# Altium PCB PCB1.PcbDoc (part 2 of 2) (continued)
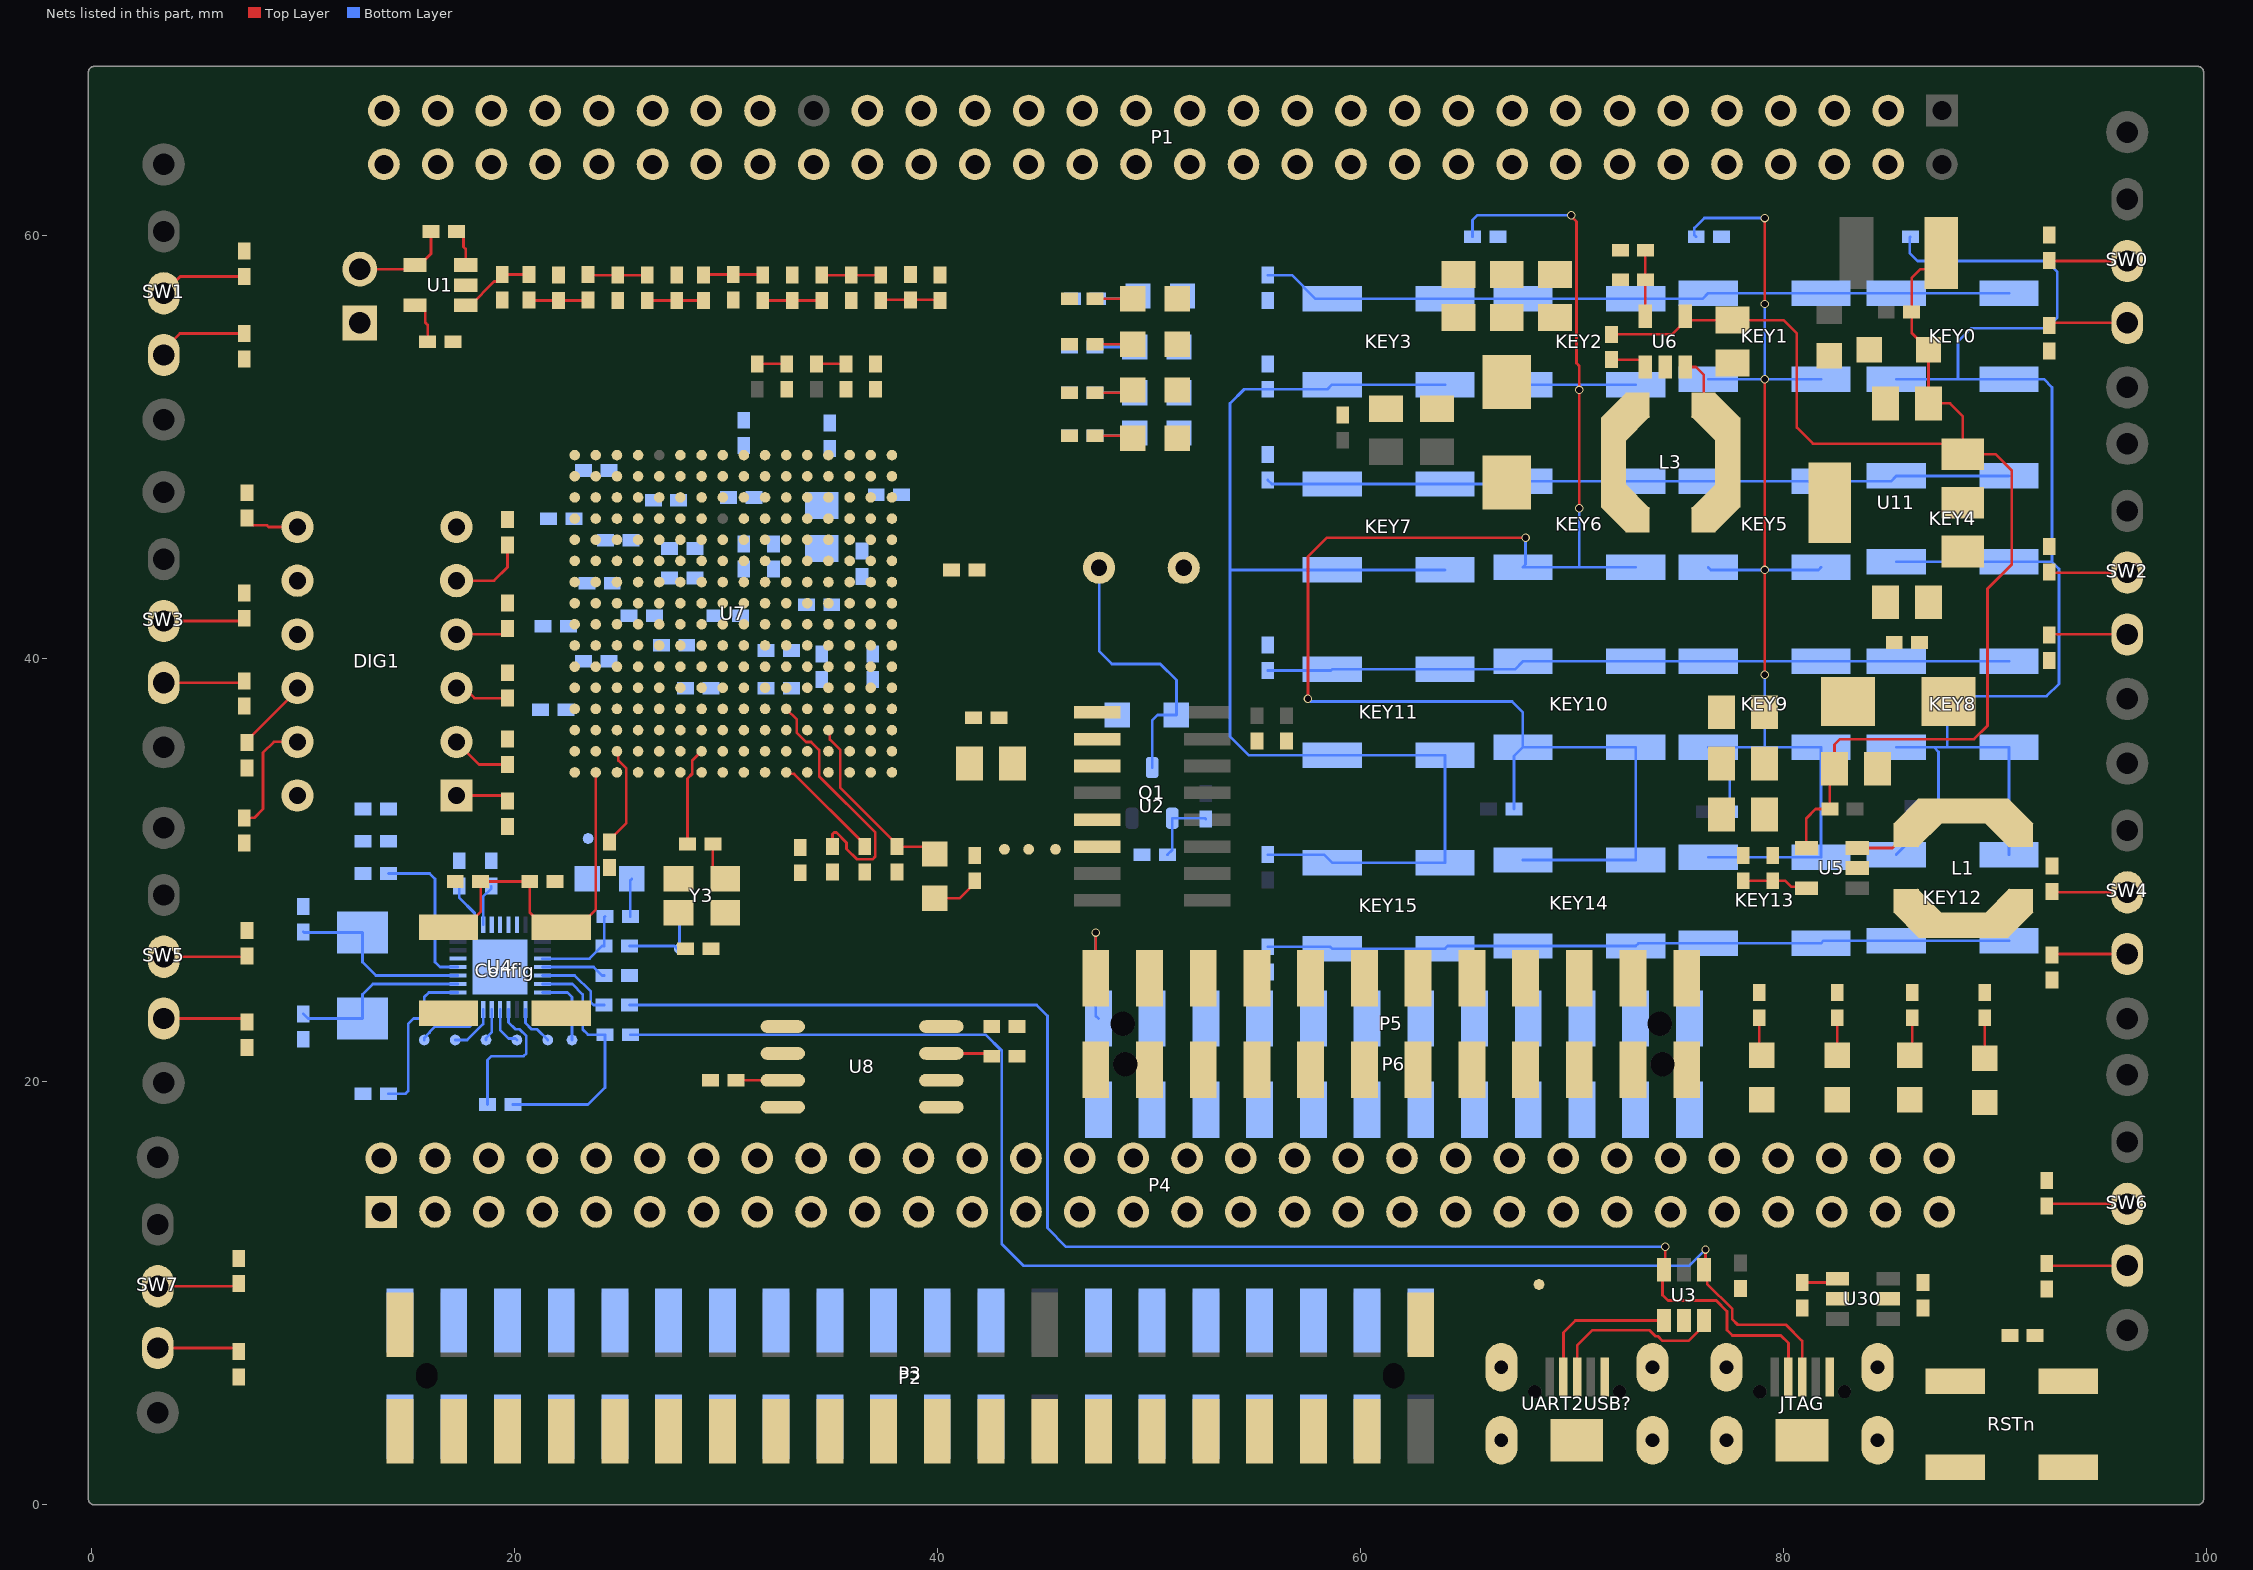
[diagram p2: the nets of this part, all layers, seen from the top]
## Part data (continued)
U1: library part LM321MF, "Low Power Single Op Amp, DBV0005A", Alternate Manufacturer="Texas Instruments", ComponentLink1Description="LM321 Datasheet", ComponentLink1URL=http://www.ti.com/lit/gpn/LM321, ComponentLink2Description="LM321 Web Page", ComponentLink2URL=http://www.ti.com/product/LM321, ComponentLink3Description="SOT Package Web Page", ComponentLink3URL=http://www.ti.com/sc/docs/psheets/type/sot.html, CompType="OpAmp IC", LatestRevisionDate=2015-02-03, Manufacturer="Texas Instruments", MountType=SMT, PackageReference=DBV0005A, PartNumber=SGM321YN5/TR, Publisher="Texas Instruments", SymbolCreator=a0411595, SymbolVersion=2015-01-06
U2: "USB2UART"
U3 U30: library part TPD4E001DBVR, "Low-Capacitance + / - 15-kV ESD Protection Array for High-Speed Data Interfaces, 4 Channels, -40 to +85 degC, 6-pin SOT-23 (DBV), Green (RoHS & no Sb/Br)", Alternate Manufacturer=None, Alternate PartNumber=Equivalent, Breakdown Voltage(Min)(V)=11, IO Capacitance(Typ)(pF)=1.5, Manufacturer="Texas Instruments", Supplier Part Number 1=296-28203-2-ND, 1394 / Firewire=TRUE, Code_JEDEC=MO-178-AB*, ComponentLink1Description=Datasheet, ComponentLink1URL=http://www.ti.com/general/docs/lit/getliterature.tsp?genericPartNumber=TPD4E001&fileType=pdf, ComponentLink2Description="URL Link1", ComponentLink2URL=SamplesURL:http://www.ti.com/product/tpd4e001#samples, DatasheetVersion=SLLS682G, Eco-Plan="Green (RoHS & no Sb/Br)", IEC 61000-4-2 Air-Gap(+/- kV)=15, IEC 61000-4-2 Contact(+/- kV)=8, IO Leakage Current(nA)=1.5, MountType=SMT, PackageDescription="6-Pin Plastic Small-Outline Package, 2.9 x 1.6 mm Body, 0.95 mm Pitch, 2.8 mm Lead Span", PackageReference=DBV0006A, PackageVersion="revK, Mar-2006", PartNumber=TPD4E001DBVR, Serial ATA / eSATA=TRUE, SubFamily="ESD Solution", Supplier 1=Digi-Key, Supplier 2=Digi-Key, Supplier 3=Digi-Key, Supplier 4=Newark, Supplier 5=Mouser, Supplier Part Number 2=296-28203-1-ND, Supplier Part Number 3=296-28203-6-ND, Supplier Part Number 4=27T6836, Supplier Part Number 5=595-TPD4E001DBVR, USB High Speed=TRUE
U4: library part GD32F150U, "GD32F150U", ComponentLink1Description="Manufacturer URL", ComponentLink1URL=http://www.ti.com/, ComponentLink2Description=Datasheet, ComponentLink2URL=http://www.ti.com/general/docs/lit/getliterature.tsp?genericPartNumber=DAC904&fileType=pdf, ComponentLink3Description="Package Specification", ComponentLink3URL=http://www.ti.com/litv/pdf/mpds364
U5 U6: library part RT8097, "1MHZ,2A,STEP-DOWM DC/DC", PartNumber=MT3520B
U8: library part W25Q80BLSNIG, "2.5V 8M-Bit Serial Flash Memory with Dual and Quad SPI, SOIC-8", Manufacturer=Winbond, Supplier Part Number 1=W25Q80BLSNIG-ND, ComponentLink1Description="Datasheet Link", ComponentLink1URL=http://www.winbond.com/resource-files/da00-w25q80blf1.pdf, LatestRevisionDate=2015-05-05, MountType=SMT, PackageReference=SOIC-8, PartNumber=W25Q16, Publisher="Texas Instruments", RoHS=Y, Supplier 1=Digi-Key, SymbolCreator=Altium, SymbolVersion=2015-04-01
U11: library part AMS1117, "LDO电源"
Y0: library part ABLS-8.000MHZ-B4-T, "Crystal, 12MHz, 18pF, SMD,无源", Frequency=24MHz, Frequency Stability=±50ppm, Manufacturer="Abracon Corportation", Supplier Part Number 1=535-10212-1-ND, ComponentLink1Description="Datasheet Link", ComponentLink1URL=http://www.abracon.com/Resonators/abls.pdf, CompType=Crystal, LatestRevisionDate=2015-05-05, MountType=SMT, PackageReference="Crystal, 11.4x4.3x3.8mm", PartNumber=ABLS-12.000MHZ-B4-T, Publisher="Texas Instruments", RoHS=Y, Supplier 1=Digi-Key, Supplier 2=Mouser, Supplier Part Number 2=815-ABLS-8.0M-T, SymbolCreator=a0412235, SymbolVersion=2008-07-09, TaMax_C=70, TaMin_C=0, U/M=EA
Y3: library part 7X-20.000MBB-T, "Crystal, 有源晶振，Sealed Locked 24MHz, 15pF, SMD", Frequency=24MHz, Frequency Stability=?ppm, Manufacturer="TXC Corporation", Supplier Part Number 1=887-1217-1-ND, ComponentLink1Description="Datasheet Link", ComponentLink1URL=http://www.txccrystal.com/images/pdf/7x.pdf, CompType=Oscillator, LatestRevisionDate=2013-06-18, LatestRevisionNote="Changed publisher", MountType=SMT, PackageReference="3.2x1x2.5 mm", PartNumber=7X-24.000MBB-T, Publisher="Texas Instruments", RoHS=Y, Supplier 1=Digi-Key, Supplier 2=Mouser, Supplier 3=Farnell, Supplier Part Number 2=717-7X-20.000MBB-T, Supplier Part Number 3=1842164, SymbolCreator=a0799628, SymbolVersion=2013-06-14, TaMax_C=85, TaMin_C=-40, U/M=EA

## Via types
v1: diameter 0.4, hole 0.3, Top Layer to Bottom Layer, tented both sides, 13 vias

## Nets (pads, with @x,y where several pads share a name; then routed paths per layer and width w, separated by ;. In a path a pad name is that pad's centre, name@x,y a point inside that pad or via, vN(x,y) a via of type N, cw(c..) or ccw(c..) an arc to the next point about the centre after c; other vN are vias at no path point)
3.3V: C2.1 C3.1 C21.1 C22.1 L4.2 Q1.2 R27.2 R28.2 R29.2 R30.2 R54.2 R73.2 R74.2 SW0.3 SW1.3 SW2.3 SW3.3 SW4.3 SW5.3 SW6.3 SW7.3 U2.4 U2.16 U4.16
3.3V: C1.1 U1.5 | length 2.1
  Top Layer w0.127: U1.5@15.31,56.708 15.535,56.708 15.797,56.446 15.797,55.894 15.91,55.78 C1.1@15.91,54.991
5V: D9.1 R81.1 C14.1 C23.1 C55.1 F1.2 R82.1 R85.1 U5.4 U6.4 U11.3 | length 62.9
  Top Layer w0.127: R85.1@71.882,55.337 74.743,55.337 75.372,55.966 U6.4@75.372,56.191 75.556,56.007 C23.1@77.597,56.007 80.01,56.007 80.645,55.372 80.645,50.927 81.407,50.165 88,50.165 U11.3@88.494,49.671 ; U5.4@81.096,31.049 81.096,32.455 81.534,32.893 R82.1@82.204,32.893 82.204,34.579 C14.1@82.423,34.798 82.423,35.941 82.677,36.195 89.027,36.195 89.662,36.83 89.662,43.307 90.805,44.45 90.805,48.895 90.029,49.671 U11.3@88.494,49.671 ; F1.2@87.471,59.182 87.471,59.157 86.734,58.42 86.487,58.42 86.071,58.004 R81.1@86.071,56.388 86.071,55.41 D9.1@86.871,54.61 86.868,54.607 C55.1@86.868,52.07 87.884,52.07 88.494,51.46 U11.3@88.494,49.671
A2: P5.11 P6.12 U7.A2
"ADC VREF": C57.1 R101.2 U7.L11
B1: P5.10 P6.9 U7.B1
B2: P5.12 P6.11 U7.B2
B3: P5.14 P6.13 U7.B3
BOOT: R65.2 T7.1 U4.1 | length 7.7
  Bottom Layer w0.127: R65.2@14.062,19.431 14.859,19.431 14.986,19.558 14.986,22.733 15.24,22.987 T7.1@15.748,22.987 15.748,24.003 15.964,24.219 U4.1@17.336,24.219
BUZZER: R55.1 U7.H11
C1: P5.8 P6.7 R98.1 U7.C1
C2: P5.7 P6.8 R99.1 U7.C2
C3: P5.9 P6.10 U7.C3
C4: P5.16 P6.15 U7.C4
C5: P5.18 P6.17 U7.C5
C6: P5.19 P6.20 U7.C6
C7: P5.24 P6.23 U7.C7
"CLOCK 24M": C64.1 U4.2 Y0.2 | length 8.7
  Bottom Layer w0.127: C64.1@10.033,23.206 10.252,22.987 Y0.2@12.827,22.987 12.827,24.13 13.316,24.619 U4.2@17.336,24.619
Clock_3Hz: P5.2 P6.1 R102.1 U7.F5
D1: P1.38 U7.D1
D3: P5.5 P6.6 R68.1 U7.D3
D5: P5.15 P6.16 U7.D5
D6: P5.20 P6.19 U7.D6
D8: P5.23 P6.24 | length 6.3
  Top Layer w0.127: P5.23@47.498,24.892 v1(47.498,27.051)
  Bottom Layer w0.127: v1(47.498,27.051) 47.498,23.114 P6.24@47.625,22.987
D14: P4.53 U7.D14
D16: P4.56 U7.D16
DAC_VOUT: J1.2 R45.1 U1.4 | length 4.7
  Top Layer w0.127: J1.2@12.7,58.42 15.122,58.42 U1.4@15.31,58.608 15.535,58.608 16.072,59.145 R45.1@16.072,60.198
Digitron_Out_0: R5.1 U7.A4
Digitron_Out_1: R6.1 U7.A6
Digitron_Out_2: R7.1 U7.B8
Digitron_Out_3: R8.1 U7.E8
Digitron_Out_4: R13.1 U7.A7
Digitron_Out_5: R14.1 U7.B5
Digitron_Out_6: R15.1 U7.A8
Digitron_Out_7: R16.1 U7.C8
DigitronCS_Out_0: DIG1.6 U7.C9
DigitronCS_Out_1: DIG1.8 U7.B6
DigitronCS_Out_2: U7.A5
DigitronCS_Out_2: DIG1.9
DigitronCS_Out_3: DIG1.12 U7.A3
DONE: ?.2 R90.1 U7.P13 | length 8.8
  Top Layer w0.127: U7.P13@34.861,36.624 34.924,36.561 34.924,36.184 35.421,35.687 35.421,33.895 38.1,31.215 R90.1@38.1,31.115 39.531,31.115 ?.2@39.878,30.768
E1: P1.36 U7.E1
E2: P1.35 U7.E2 U7.F2
E3: P5.4 P6.3 R100.1 RSTn.1 U7.E3
E4: P5.6 P6.5 R94.1 U7.E4
E6: P5.17 P6.18 U7.E6
E7: P5.21 P6.22 U7.E7
E15: P4.55 U7.E15
F1: P1.34 U7.F1
F2: P1.33
F3: P1.56 U7.F3
F4: P1.55 U7.F4
F6: P5.13 P6.14 U7.F6
F7: P5.22 P6.21 U7.F7
F13: P4.52 U7.F13
F14: P4.51 U7.F14
F15: P4.54 U7.F15
FGPA1.2V: C10.1 C11.1 C12.1 C13.1 C48.1 C49.1 C50.1 C51.1 C52.1 C53.1 L1.2 R83.2 U7.G7 U7.G9 U7.H8 U7.H10 U7.J7 U7.J9 U7.K8 U7.K10
FGPA3.3V: C4.1 C17.1 C18.1 C19.1 C20.1 C25.1 C26.1 C27.1 C28.1 C29.1 C30.1 C31.1 C32.1 C33.1 C34.1 C35.2 C36.1 C37.1 C38.1 C39.1 C40.1 C41.1 C42C?.1 C43.1 C44.1 C45.1 C47.1 C54.1 L3.2 L4.1 L5.2 R86.2 R88.2 R89.2 R90.2 R91.2 R92.1 R95.2 R96.2 R100.2 U7.B4 U7.B9 U7.B13 U7.D2 U7.D7 U7.D10 U7.D15 U7.E5 U7.F8 U7.F11 U7.G4 U7.G10 U7.G13 U7.H6 U7.J2 U7.J10 U7.J15 U7.K4 U7.K13 U7.L6 U7.L9 U7.N2 U7.N7 U7.N10 U7.N15 U7.R4 U7.R8 U8.8 U30.5 Y3.1 Y3.4
"FGPA CCLK": U7.R11 U8.6
"FGPA DO": U7.P10
"FGPA GCLK1": R97.2 U7.R7 | length 4.7
  Top Layer w0.127: R97.2@28.194,31.242 28.194,34.334 28.421,34.561 28.421,35.184 U7.R7@28.861,35.624
"FGPA MOSI": U7.T10
FGPA_DO: U8.2
FGPA_MOSI: U8.5
G1: P1.31 U7.G1
G3: P1.54 U7.G3
G5: P1.53 U7.G5
G6: P1.51 U7.G6
G11: P4.39 U7.G11
G12: P4.50 U7.G12
G14: P4.49 U7.G14
G16: P4.41 U7.G16
GND: D9.2 BUZZER1.2 C1.2 C2.2 C3.2 C4.2 C6.1 C8.1 C8.2 C9.1 C9.2 C10.2 C11.2 C12.2 C13.2 C14.2 C15.2 C16.2 C17.2 C18.2 C19.2 C20.2 C21.2 C22.2 C23.2 C24.2 C25.2 C26.2 C27.2 C28.2 C29.2 C30.2 C31.2 C32.2 C33.2 C34.2 C35.1 C36.2 C37.2 C38.2 C39.2 C40.2 C41.2 C42C?.2 C43.2 C44.2 C45.2 C47.2 C48.2 C49.2 C50.2 C51.2 C52.2 C53.2 C54.2 C55.2 C57.2 C64.2 C65.2 Config.2 D0.2 D1.2 D2.2 D3.2 D4.2 D5.2 D6.2 D7.2 D11.2 D12.2 D13.2 D14.2 DD1.2 J1.1 JTAG.5 JTAG.6 JTAG.7 JTAG.8 JTAG.9 JTAG.10 JTAG.11 P1.3 P1.4 P1.5 P1.7 P1.9 P1.11 P1.13 P1.15 P1.23 P1.24 P1.44 P1.57 P1.58 P2.2 P2.40 P3.1 P3.39 P4.3 P4.4 P4.6 P4.8 P4.10 P4.12 P4.14 P4.16 P4.18 P4.20 P4.30 P4.31 P4.32 P4.43 P4.44 P4.46 P4.57 P4.58 P5.3 P6.4 POWER1.2 POWER2.2 R3.2 R4.2 R11.2 R12.2 R19.2 R20.2 R23.2 R24.2 R63.1 R65.1 R69.1 R84.1 R87.1 R93.1 RSTn.2 T10.1 U1.2 U2.1 U3.2 U4.5 U4.29 U5.2 U6.2 U7.A1 U7.A16 U7.B7 U7.B11 U7.D4 U7.D13 U7.E9 U7.G2 U7.G8 U7.G15 U7.H7 U7.H9 U7.H12 U7.J5 U7.J8 U7.K7 U7.K9 U7.L2 U7.L15 U7.M8 U7.N13 U7.P3 U7.R6 U7.R10 U7.T1 U7.T16 U8.4 U11.1 U30.2 UART2USB?.5 UART2USB?.6 UART2USB?.7 UART2USB?.8 UART2USB?.9 UART2USB?.10 UART2USB?.11 Y3.2
H1: P1.29 U7.H1
H2: P1.32 U7.H2
H3: P1.49 U7.H3
H4: P1.52 U7.H4
H5: P1.50 U7.H5
H13: P4.48 U7.H13
H14: P4.47 U7.H14
H15: P4.42 U7.H15
H16: P4.45 U7.H16
"INIT B": R91.1 U7.R3 | length 4.8
  Top Layer w0.127: R91.1@24.511,31.334 24.511,31.434 25.302,32.225 25.302,34.806 24.924,35.184 24.924,35.561 U7.R3@24.861,35.624
J1: P1.30 U7.J1
J3: P1.19 U7.J3
J4: P1.17 U7.J4
J6: P1.47 U7.J6
J11: P4.40 U7.J11
J12: P4.29 U7.J12
J13: P4.33 U7.J13
J14: P4.36 U7.J14
J16: P4.35 U7.J16
"JTAG TCK": T12.1
"JTAG TDI": T14.1
"JTAG TDO": T13.1
"JTAG TMS": T11.1
K1: P1.27 U7.K1
K2: P1.28 U7.K2
K3: P1.48 U7.K3
K5: P1.45 U7.K5
K6: P1.46 U7.K6
K11: P4.26 U7.K11
K12: P4.27 U7.K12
K14: P4.34 U7.K14
K15: P4.38 U7.K15
K16: P4.37 U7.K16
Key_Co11: U7.D11
Key_Col0: R44.1 U7.E11
Key_Col1: R43.1
Key_Col2: R42.1 U7.C11
Key_Col3: R41.1 U7.F10
Key_Row0: R40.1 U7.E10
Key_Row1: R39.1 U7.C10
Key_Row2: R36.1 U7.F9
Key_Row3: R33.1 U7.D9
L1: U7.L1
L3: P1.41 U7.L3
L4: P1.42 U7.L4
L5: P1.26 U7.L5
L7: P2.19 P3.20 U7.L7
L8: U7.L8
L10: P1.25 P3.31 U7.L10
L12: P4.7 U7.L12
L13: P4.25 U7.L13
L14: P4.28 U7.L14
L16: P4.19 U7.L16
LED0: R25.1 R53.2 U7.B14
LED1: R26.1 R52.2 U7.B15
LED2: R31.1 R51.2 U7.B16
LED3: R32.1 R50.2 U7.C15
LED4: R34.1 R49.2 U7.C16
LED5: R35.1 R48.2 U7.E13
LED6: R37.1 R47.2 U7.E16
LED7: R38.1 R46.2 U7.F16
"LINK STATE": R71.1 R72.2 U4.17 | length 4.6
  Bottom Layer w0.127: U4.17@21.336,25.819 23.56,25.819 24.157,26.416 R71.1@24.257,26.416 24.257,27.778 R72.2@24.292,27.813
M1: U7.M1
M2: P1.39 U7.M2
M3: P1.40 U7.M3
M4: P1.22 U7.M4
M5: P1.37 U7.M5
M6: P3.15 U7.M6
M7: P3.19 U7.M7
M9: P2.29 P3.30 U7.M9
M10: P1.16 P2.33 P3.34 U7.M10
M11: P4.5 U7.M11
M12: P2.35 P3.36 U7.M12
M13: P4.24 U7.M13
M14: P4.23 U7.M14
M15: P4.22 U7.M15
M16: P4.17 U7.M16
MSEL0: R92.2 U7.T11 | length 5.2
  Top Layer w0.127: U7.T11@32.861,34.624 32.932,34.553 33.238,34.553 36.576,31.215 R92.2@36.576,31.115
MSEL1: R93.2 U7.N11 | length 12.2
  Top Layer w0.127: U7.N11@32.861,37.624 33.365,37.12 33.365,36.497 33.798,36.065 34.043,36.065 34.421,35.687 34.421,34.442 37.066,31.796 37.066,30.636 36.955,30.524 36.197,30.524 35.714,31.007 35.714,31.297 35.232,31.78 35.126,31.78 35.052,31.706 R93.2@35.052,31.115
N1: U7.N1
N3: P1.21 U7.N3
N4: P1.20 U7.N4
N5: P3.13 U7.N5
N6: P2.17 P3.18 U7.N6
N8: P2.27 P3.28 U7.N8
N9: P3.29 U7.N9
N12: P1.14 P3.35 U7.N12
N14: P4.13 U7.N14
N16: P4.15 U7.N16
NetR81_2: R81.2 POWER2.1 | length 2.7
  Top Layer w0.127: POWER2.1@82.169,56.422 84.837,56.422 R81.2@84.871,56.388
Net_1: ?.1 R89.1 | length 2.3
  Top Layer w0.127: ?.1@39.878,28.668 41.052,28.668 41.783,29.399 R89.1@41.783,29.499
NetBUZZER1_1: BUZZER1.1 DD1.1 Q1.3 | length 13.3
  Bottom Layer w0.127: BUZZER1.1@47.657,44.299 47.657,40.354 48.26,39.751 50.546,39.751 51.311,38.986 DD1.1@51.311,37.338 50.419,37.338 50.165,37.084 Q1.3@50.165,34.855
NetD0_1: D0.1 R25.2 | length 1.8
  Top Layer w0.127: R25.2@47.463,57.023 D0.1@49.242,57.023
NetD1_1: D1.1 R26.2 | length 2
  Bottom Layer w0.127: R26.2@47.59,57.023 49.369,57.023 D1.1@49.496,57.15
NetD2_1: D2.1 R31.2 | length 1.8
  Top Layer w0.127: R31.2@47.463,54.864 D2.1@49.242,54.864
NetD3_1: D3.1 R32.2 | length 1.9
  Bottom Layer w0.127: R32.2@47.463,54.737 D3.1@49.335,54.737
NetD4_1: D4.1 R34.2 | length 1.8
  Top Layer w0.127: R34.2@47.463,52.578 49.115,52.578 D4.1@49.242,52.705
NetD5_1: D5.1 R35.2 | length 1.9
  Bottom Layer w0.127: R35.2@47.463,52.578 D5.1@49.335,52.578
NetD6_1: D6.1 R37.2 | length 1.8
  Top Layer w0.127: R37.2@47.463,50.546 49.115,50.546 D6.1@49.242,50.419
NetD7_1: D7.1 R38.2 | length 1.9
  Bottom Layer w0.127: R38.2@47.463,50.546 49.208,50.546 D7.1@49.335,50.673
NetD11_1: D11.1 R68.2 | length 1.9
  Top Layer w0.127: D11.1@89.535,21.116 R68.2@89.535,23.022
NetD12_1: D12.1 R94.2 | length 1.8
  Top Layer w0.127: D12.1@85.979,21.243 86.106,21.37 R94.2@86.106,23.022
NetD13_1: D13.1 R98.2 | length 1.8
  Top Layer w0.127: D13.1@82.55,21.243 R98.2@82.55,23.022
NetD14_1: D14.1 R99.2 | length 1.8
  Top Layer w0.127: R99.2@78.867,23.022 78.867,21.37 D14.1@78.994,21.243
NetDIG1_1: DIG1.1 R13.2 | length 2.5
  Top Layer w0.127: DIG1.1@17.272,33.528 19.449,33.528 19.685,33.292 R13.2@19.685,33.274
NetDIG1_2: DIG1.2 R8.2 | length 2.9
  Top Layer w0.127: DIG1.2@17.272,36.068 18.345,34.995 R8.2@19.685,34.995
NetDIG1_3: DIG1.3 R16.2 | length 2.6
  Top Layer w0.127: DIG1.3@17.272,38.608 17.65,38.608 18.123,38.135 R16.2@19.685,38.135
NetDIG1_4: DIG1.4 R7.2 | length 2.6
  Top Layer w0.127: DIG1.4@17.272,41.148 19.449,41.148 19.685,41.384 R7.2@19.685,41.437
NetDIG1_5: DIG1.5 R15.2 | length 3.7
  Top Layer w0.127: DIG1.5@17.272,43.688 19.05,43.688 19.685,44.323 R15.2@19.685,45.374
NetDIG1_7: DIG1.7 R6.2 | length 2.6
  Top Layer w0.127: R6.2@7.366,46.644 7.366,46.544 7.602,46.307 8.315,46.307 8.394,46.228 DIG1.7@9.752,46.228
NetDIG1_10: DIG1.10 R14.2 | length 3.6
  Top Layer w0.127: R14.2@7.366,36.033 7.366,36.133 9.752,38.519 DIG1.10@9.752,38.608
NetDIG1_11: DIG1.11 R5.2 | length 5.6
  Top Layer w0.127: R5.2@7.239,32.477 7.712,32.477 8.128,32.893 8.128,35.56 8.636,36.068 DIG1.11@9.752,36.068
NetKEY0_1: KEY0.1 KEY1.1 KEY2.1 KEY3.1 R40.2 | length 35.6
  Bottom Layer w0.127: R40.2@55.626,58.131 56.766,58.131 57.874,57.023 KEY3.1@58.674,57.023 KEY3.1@64.008,57.023 KEY2.1@67.691,57.023 KEY2.1@73.025,57.023 76.2,57.023 KEY1.1@76.454,57.277 KEY1.1@81.788,57.277 KEY0.1@85.344,57.277 KEY0.1@90.678,57.277
NetKEY0_2: KEY0.2 KEY4.2 KEY8.2 KEY12.2 R30.1 R44.2 | length 70.3
  Bottom Layer w0.127: KEY12.2@85.344,30.734 85.771,31.161 85.771,31.45 87.004,32.683 87.004,32.784 87.241,33.02 R30.1@87.341,33.02 87.341,35.595 87.122,35.814 ; KEY8.2@85.344,35.814 87.122,35.814 ; KEY4.2@85.344,44.577 KEY4.2@90.678,44.577 92.71,44.577 ; KEY0.2@85.344,53.213 88.265,53.213 ; R44.2@86.014,59.944 85.979,59.909 85.979,59.182 86.36,58.801 92.456,58.801 92.964,58.293 92.964,56.134 92.456,55.626 88.9,55.626 88.265,54.991 88.265,53.213 ; KEY12.2@90.678,30.734 KEY8.2@90.678,35.814 87.757,35.814 ; 87.122,35.814 87.757,35.814 ; 87.757,35.814 87.757,37.592 88.392,38.227 92.456,38.227 93.038,38.809 93.038,44.249 92.71,44.577 ; 88.265,53.213 KEY0.2@90.678,53.213 92.329,53.213 92.71,52.832 92.71,44.577
NetKEY1_2: KEY1.2 KEY5.2 KEY9.2 KEY13.2 R29.1 R43.2 | length 58.9
  Top Layer w0.127: v1(79.121,39.243) v1(79.121,44.196) v1(79.121,53.213) ; v1(79.121,56.769) v1(79.121,60.833)
  Bottom Layer w0.127: R43.2@75.889,59.944 75.797,60.036 75.797,60.36 76.27,60.833 v1(79.121,60.833) ; KEY13.2@76.454,30.607 KEY13.2@81.788,30.607 KEY9.2@81.788,35.814 79.121,35.814 ; KEY9.2@76.454,35.814 KEY9.2@76.933,35.814 ; KEY5.2@76.454,44.323 76.581,44.196 v1(79.121,44.196) 81.661,44.196 KEY5.2@81.788,44.323 ; KEY1.2@76.454,53.213 v1(79.121,53.213) ; R29.1@77.47,32.766 77.47,35.277 KEY9.2@76.933,35.814 ; v1(79.121,39.243) 79.121,35.814 ; v1(79.121,56.769) v1(79.121,53.213) ; KEY1.2@81.788,53.213 v1(79.121,53.213) ; KEY9.2@76.933,35.814 79.121,35.814
NetKEY2_2: KEY2.2 KEY6.2 KEY10.2 KEY14.2 R28.1 R42.2 | length 83.3
  Top Layer w0.127: v1(57.531,38.1) 57.531,44.831 58.42,45.72 v1(67.818,45.72) ; v1(69.977,60.96) 69.977,60.916 70.231,60.662 70.231,53.975 70.358,53.848 v1(70.358,52.705) v1(70.358,47.117)
  Bottom Layer w0.127: v1(57.531,38.1) 57.658,37.973 67.183,37.973 67.691,37.465 KEY10.2@67.691,35.814 ; R42.2@65.313,59.944 65.313,60.741 65.532,60.96 v1(69.977,60.96) ; R28.1@67.275,32.893 67.275,35.398 KEY10.2@67.691,35.814 ; KEY14.2@67.691,30.48 KEY14.2@73.025,30.48 KEY10.2@73.025,35.814 KEY10.2@67.691,35.814 ; KEY2.2@67.691,52.959 70.358,52.959 ; v1(67.818,45.72) 67.818,44.45 KEY6.2@67.691,44.323 70.358,44.323 ; v1(70.358,47.117) 70.358,44.323 ; v1(70.358,52.705) 70.358,52.959 ; KEY6.2@73.025,44.323 70.358,44.323 ; KEY2.2@73.025,52.959 70.358,52.959
NetKEY3_2: KEY3.2 KEY7.2 KEY11.2 KEY15.2 R27.1 R41.2 | length 60.6
  Bottom Layer w0.127: R27.1@55.626,30.734 58.293,30.734 KEY15.2@58.674,30.353 KEY15.2@64.008,30.353 KEY11.2@64.008,35.433 KEY11.2@58.674,35.433 54.737,35.433 53.848,36.322 53.848,44.196 ; KEY7.2@64.008,44.196 53.848,44.196 ; KEY3.2@64.008,52.959 KEY3.2@58.674,52.959 58.455,52.74 R41.2@55.626,52.74 54.518,52.74 53.848,52.07 53.848,44.196
NetKEY4_1: KEY4.1 KEY5.1 KEY6.1 KEY7.1 R39.2 | length 35.3
  Bottom Layer w0.127: R39.2@55.626,48.457 55.823,48.26 KEY7.1@58.674,48.26 KEY7.1@64.008,48.26 67.564,48.26 KEY6.1@67.691,48.387 KEY6.1@73.025,48.387 KEY5.1@76.454,48.387 KEY5.1@81.788,48.387 85.09,48.387 KEY4.1@85.344,48.641 KEY4.1@90.678,48.641
NetKEY8_1: KEY8.1 KEY9.1 KEY10.1 KEY11.1 R36.2 | length 35.2
  Bottom Layer w0.127: R36.2@55.626,39.44 58.617,39.44 KEY11.1@58.674,39.497 KEY11.1@64.008,39.497 67.31,39.497 KEY10.1@67.691,39.878 KEY10.1@73.025,39.878 KEY9.1@76.454,39.878 KEY9.1@81.788,39.878 KEY8.1@85.344,39.878 KEY8.1@90.678,39.878
NetKEY12_1: KEY12.1 KEY13.1 KEY14.1 KEY15.1 R33.2 | length 35.2
  Bottom Layer w0.127: R33.2@55.626,26.381 58.582,26.381 KEY15.1@58.674,26.289 KEY15.1@64.008,26.289 64.135,26.416 KEY14.1@67.691,26.416 KEY14.1@73.025,26.416 73.152,26.543 KEY13.1@76.454,26.543 KEY13.1@81.788,26.543 81.915,26.67 KEY12.1@85.344,26.67 KEY12.1@90.678,26.67
NetL1_1: L1.1 U5.3 | length 2.6
  Top Layer w0.127: U5.3@83.496,31.049 85.169,31.049 85.781,31.661 L1.1@85.819,31.661
NetL3_1: L3.1 U6.3 | length 2.5
  Top Layer w0.127: U6.3@75.372,53.791 75.876,53.791 76.238,53.429 L3.1@76.238,51.976
NetL5_1: L5.1 U7.R13
NetPOWER1_1: POWER1.1 R72.1 | length 1.8
  Bottom Layer w0.127: R72.1@25.492,27.813 25.492,29.522 POWER1.1@25.561,29.591
NetQ1_1: Q1.1 R54.1 R55.2 | length 3.4
  Bottom Layer w0.127: R55.2@50.892,30.734 51.115,30.957 Q1.1@51.115,32.455 52.67,32.455 R54.1@52.705,32.42
NetR1_2: R1.2 SW0.2 | length 3.7
  Top Layer w0.127: R1.2@92.583,58.836 92.618,58.801 SW0.2@96.266,58.801
NetR2_2: R2.2 SW1.2 | length 4.1
  Top Layer w0.127: SW1.2@3.429,57.277 3.429,57.291 4.212,58.074 R2.2@7.239,58.074
NetR3_1: R3.1 SW0.1 | length 3.7
  Top Layer w0.127: R3.1@92.583,55.753 92.71,55.88 SW0.1@96.266,55.88
NetR4_1: R4.1 SW1.1 | length 4.4
  Top Layer w0.127: SW1.1@3.429,54.356 3.429,54.606 4.195,55.372 R4.1@7.239,55.372
NetR9_2: R9.2 SW2.2 | length 3.7
  Top Layer w0.127: R9.2@92.583,44.104 92.618,44.069 SW2.2@96.266,44.069
NetR10_2: R10.2 SW3.2 | length 3.9
  Top Layer w0.127: SW3.2@3.429,41.783 7.112,41.783 R10.2@7.239,41.91
NetR11_1: R11.1 SW2.1 | length 3.7
  Top Layer w0.127: R11.1@92.583,41.113 92.618,41.148 SW2.1@96.266,41.148
NetR12_1: R12.1 SW3.1 | length 3.8
  Top Layer w0.127: SW3.1@3.429,38.862 7.147,38.862 R12.1@7.239,38.954
NetR17_2: R17.2 SW4.2 | length 3.6
  Top Layer w0.127: R17.2@92.71,28.991 92.745,28.956 SW4.2@96.266,28.956
NetR18_2: R18.2 SW5.2 | length 4
  Top Layer w0.127: SW5.2@3.429,25.908 7.331,25.908 R18.2@7.366,25.943
NetR19_1: R19.1 SW4.1 | length 3.6
  Top Layer w0.127: R19.1@92.71,26 92.745,26.035 SW4.1@96.266,26.035
NetR20_1: R20.1 SW5.1 | length 4
  Top Layer w0.127: SW5.1@3.429,22.987 7.204,22.987 R20.1@7.366,22.825
NetR21_2: R21.2 SW6.2 | length 3.8
  Top Layer w0.127: R21.2@92.456,14.132 92.548,14.224 SW6.2@96.266,14.224
NetR22_2: R22.2 SW7.2 | length 3.9
  Top Layer w0.127: SW7.2@3.148,10.328 6.864,10.328 R22.2@6.985,10.449
NetR23_1: R23.1 SW6.1 | length 3.8
  Top Layer w0.127: R23.1@92.456,11.395 92.548,11.303 SW6.1@96.266,11.303
NetR24_1: R24.1 SW7.1 | length 3.9
  Top Layer w0.127: SW7.1@3.148,7.407 6.817,7.407 R24.1@6.985,7.239
NetR45_2: R45.2 U1.3 | length 1.8
  Top Layer w0.127: R45.2@17.272,60.198 17.372,60.198 17.609,59.962 17.609,59.466 17.71,59.365 U1.3@17.71,58.608
NetR46_1: R46.1 R56.1 U1.1 | length 3.7
  Top Layer w0.127: U1.1@17.71,56.708 17.935,56.708 19.056,57.829 19.195,57.829 19.431,58.066 R46.1@19.431,58.166 R56.1@20.701,58.166
NetR47_1: R47.1 R56.2 R57.1 | length 2.8
  Top Layer w0.127: R56.2@20.701,56.966 20.736,56.931 R47.1@22.098,56.931 23.46,56.931 R57.1@23.495,56.966
NetR48_1: R48.1 R57.2 R58.1 | length 2.8
  Top Layer w0.127: R57.2@23.495,58.166 23.53,58.131 R48.1@24.892,58.131 R58.1@26.289,58.131
NetR49_1: R49.1 R58.2 R59.1 | length 2.7
  Top Layer w0.127: R58.2@26.289,56.931 R49.1@27.686,56.931 R59.1@28.956,56.931
NetR50_1: R50.1 R59.2 R60.1 | length 2.8
  Top Layer w0.127: R59.2@28.956,58.131 28.991,58.166 R50.1@30.353,58.166 31.715,58.166 R60.1@31.75,58.131
NetR51_1: R51.1 R60.2 R61.1 | length 2.8
  Top Layer w0.127: R60.2@31.75,56.931 R51.1@33.147,56.931 R61.1@34.544,56.931
NetR52_1: R52.1 R61.2 R62.1 | length 2.8
  Top Layer w0.127: R61.2@34.544,58.131 R52.1@35.941,58.131 R62.1@37.338,58.131
NetR53_1: R53.1 R62.2 R63.2 | length 2.8
  Top Layer w0.127: R62.2@37.338,56.931 37.373,56.966 R53.1@38.735,56.966 40.097,56.966 R63.2@40.132,56.931
NetR66_1: R66.1 R?.2 U4.20 | length 12.1
  Bottom Layer w0.127: R?.2@19.939,18.923 23.495,18.923 24.292,19.72 R66.1@24.292,22.225 23.495,22.225 23.241,22.479 23.241,24.13 22.752,24.619 U4.20@21.336,24.619
NetR67_1: R67.1 U4.19 | length 3.8
  Bottom Layer w0.127: U4.19@21.336,25.019 22.86,25.019 23.622,24.257 23.622,23.749 23.749,23.622 R67.1@24.257,23.622
NetR69_2: R69.2 U4.4 | length 7.4
  Bottom Layer w0.127: R69.2@14.062,29.845 16.002,29.845 16.256,29.591 16.256,25.654 16.491,25.419 U4.4@17.336,25.419
NetR70_1: R70.1 U4.18 | length 3.1
  Bottom Layer w0.127: U4.18@21.336,25.419 23.757,25.419 24.157,25.019 R70.1@24.257,25.019
NetR75_2: R75.2 U4.8 | length 2.1
  Bottom Layer w0.127: R75.2@17.399,29.245 17.399,28.702 18.136,27.965 U4.8@18.136,27.419
NetR76_2: R76.2 U7.A15
NetR77_2: R77.2 U7.C14
NetR78_2: R78.2 U7.E14
NetR79_2: R79.2 U7.C12
NetR80_2: R80.2 U4.9 | length 2
  Bottom Layer w0.127: U4.9@18.536,27.419 18.536,28.758 18.923,29.145 R80.2@18.923,29.245
NetR83_1: R83.1 R84.2 U5.5 | length 3.1
  Top Layer w0.127: R84.2@78.105,29.499 R83.1@79.502,29.499 80.102,29.499 80.391,29.21 81.035,29.21 U5.5@81.096,29.149
NetR85_2: R85.2 U6.1 | length 1.8
  Top Layer w0.127: R85.2@71.882,54.137 73.21,54.137 73.472,53.875 U6.1@73.472,53.791
NetR86_1: R86.1 R87.2 U6.5 | length 3.1
  Top Layer w0.127: U6.5@73.472,56.191 73.472,59.283 R87.2@73.498,59.309
NetR95_1: R95.1 U8.7 | length 2.4
  Top Layer w0.127: U8.7@40.199,21.336 42.453,21.336 R95.1@42.58,21.209
NetR96_1: R96.1 U8.3 | length 2.2
  Top Layer w0.127: R96.1@30.48,20.066 U8.3@32.699,20.066
NetR97_1: R97.1 Y3.3 | length 1.9
  Top Layer w0.127: R97.1@29.394,31.242 29.394,30.128 29.931,29.591 Y3.3@29.972,29.591
NetR102_2: R102.2 U30.1 | length 1.7
  Top Layer w0.127: R102.2@80.899,10.506 82.387,10.506 U30.1@82.567,10.686
NetR?_1: R?.1 U4.24 | length 6.6
  Bottom Layer w0.127: R?.1@18.739,18.923 18.739,21.025 18.923,21.209 20.447,21.209 20.574,21.336 20.574,22.155 20.25,22.479 20.066,22.479 19.736,22.809 U4.24@19.736,23.419
NetT1_1: T1.1 U4.28 | length 3.4
  Bottom Layer w0.127: T1.1@15.748,21.971 15.748,22.074 16.002,22.328 16.002,22.352 16.256,22.606 17.907,22.606 18.136,22.835 U4.28@18.136,23.419
NetT2_1: T2.1 U4.27 | length 2.3
  Bottom Layer w0.127: T2.1@17.209,21.971 17.78,21.971 18.536,22.727 U4.27@18.536,23.419
NetT3_1: T3.1 U4.26 | length 1.6
  Bottom Layer w0.127: T3.1@18.669,21.971 18.669,22.066 18.936,22.333 U4.26@18.936,23.419
NetT4_1: T4.1 U4.25 | length 2
  Bottom Layer w0.127: U4.25@19.336,23.419 19.336,22.447 19.739,22.044 20.057,22.044 T4.1@20.13,21.971
NetT5_1: T5.1 U4.22 | length 2
  Bottom Layer w0.127: U4.22@20.536,23.419 20.536,22.771 20.828,22.479 21.082,22.479 T5.1@21.59,21.971
NetT6_1: T6.1 U4.21 | length 3.5
  Bottom Layer w0.127: U4.21@21.336,24.219 22.517,24.219 22.733,24.003 T6.1@22.733,21.971
"OSC OUT": C65.1 U4.3 Y0.1 | length 9
  Bottom Layer w0.127: C65.1@10.033,27.086 10.068,27.051 Y0.1@12.827,27.051 12.827,25.654 13.462,25.019 U4.3@17.336,25.019
OUT_3.3V: C15.1 C16.1 P1.59 P1.60 P2.1 P3.2 P4.59 P4.60 P5.1 P6.2 R101.1 U11.2 U11.4
P1: P1.12 U7.P1
P2: P1.8 U7.P2
P4: P1.18 U7.P4
P5: P2.15 P3.16 U7.P5
P6: P3.17 U7.P6
P7: P2.25 U7.P7
P8: P3.27 U7.P8
P9: P2.31 P3.32 U7.P9
P11: P3.33 U7.P11
P12: P2.37 P3.38 U7.P12
P14: P4.21 U7.P14
P15: P4.9 U7.P15
P16: P4.11 U7.P16
"PROGRAM B": C24.1 Config.1 R88.1 U7.T2 | length 17.3
  Top Layer w0.127: Config.1@16.891,27.305 17.691,27.305 18.415,28.029 R88.1@18.415,29.337 ; R88.1@18.415,29.464 R88.1@18.415,29.337 ; U7.T2@23.861,34.624 23.861,28.141 23.025,27.305 21.425,27.305 20.736,27.994 C24.1@20.736,29.464 18.542,29.464 R88.1@18.415,29.337
R1: P1.10 U7.R1
R2: P1.6 U7.R2
R5: P3.3 U7.R5
R9: P3.9 U7.R9
R12: P3.11 U7.R12
R14: P3.21 U7.R14
R15: P3.23 U7.R15
R16: P3.37 U7.R16
RXD: U2.2 U2.3 U7.F12
"SPI CSN": U7.T3 U8.1
SW0: R1.1 U7.A9
SW1: R2.1 U7.A10
SW2: R9.1 U7.B10
SW3: R10.1 U7.A11
SW4: R17.1 U7.A12
SW5: R18.1 U7.B12
SW6: R21.1 U7.A13
SW7: R22.1 U7.A14
T4: P2.3 P3.4 U7.T4
T5: P2.5 P3.6 U7.T5
T6: P3.5 U7.T6
T7: P2.7 P3.8 U7.T7
T8: P3.7 U7.T8
T9: P2.9 P3.10 U7.T9
T12: P2.11 P3.12 U7.T12
T13: P2.13 P3.14
T14: P2.21 P3.22 U7.T14
T15: P2.23 P3.24 U7.T15
TXD: U7.D12
"UART RX": R80.1
"UART TX": R75.1
UART_RX: U7.E12
UART_TX: U7.C13
"USART RX": R70.2
"USART TX": R71.2 T8.1 T9.1 | length 4.1
  Bottom Layer w0.127: R71.2@25.457,26.416 27.583,26.416 27.71,26.289 T8.1@27.813,26.289 T9.1@27.813,27.94
"USB2 D1+": U2.5
"USB2 D1-": U2.6
"USB2 DI+": U3.3 UART2USB?.3 | length 8.5
  Top Layer w0.127: UART2USB?.3@70.26,6.038 70.26,7.522 70.993,8.255 73.668,8.255 73.957,7.965 74.077,7.965 74.295,7.747 75.527,7.747 76.261,8.481 U3.3@76.261,8.706
"USB2 DI-": U3.1 UART2USB?.2 | length 7.1
  Top Layer w0.127: UART2USB?.2@69.61,6.038 69.61,8.142 70.174,8.706 U3.1@74.361,8.706
"USB D+": JTAG.3 R66.2 U3.4 | length 70.3
  Top Layer w0.127: v1(76.327,12.065) 76.327,11.172 U3.4@76.261,11.106 76.406,10.961 76.406,10.44 77.597,9.249 77.597,8.763 77.851,8.509 80.137,8.509 80.899,7.747 JTAG.3@80.899,6.038
  Bottom Layer w0.127: R66.2@25.492,22.225 42.291,22.225 43.053,21.463 43.053,12.319 44.069,11.303 75.565,11.303 v1(76.327,12.065)
"USB D-": JTAG.2 R67.2 U3.6 | length 70.9
  Top Layer w0.127: v1(74.422,12.192) 74.422,11.167 U3.6@74.361,11.106 74.295,11.04 74.295,9.906 74.549,9.652 76.835,9.652 77.343,9.144 77.343,8.255 77.597,8.001 79.883,8.001 80.249,7.635 JTAG.2@80.249,6.038
  Bottom Layer w0.127: R67.2@25.457,23.622 44.704,23.622 45.212,23.114 45.212,13.081 46.101,12.192 v1(74.422,12.192)
"USB JTAG TCK": U4.11
"USB JTAG TDI": U4.13
"USB JTAG TDO": U4.12
"USB JTAG TMS": U4.10
USB_JTAG_TCK: R74.1 R77.1 | length 1.4
  Top Layer w0.127: R74.1@34.29,53.94 R77.1@35.687,53.94
USB_JTAG_TDI: R73.1 R79.1 | length 1.4
  Top Layer w0.127: R73.1@31.496,53.94 R79.1@32.893,53.94
USB_JTAG_TMS: R76.1
USB_JTAG_TO: R78.1
VBUS: C6.2 F1.1 JTAG.1 P1.1 P1.2 P2.39 P3.40 U3.5 UART2USB?.1
VBUS: P4.1 P4.2
Y13: U7.T13
pads on no net: JTAG.0 JTAG.4 JTAG.12 P1.43 P2.0 P2.4 P2.6 P2.8 P2.10 P2.12 P2.14 P2.16 P2.18 P2.20 P2.22 P2.24 P2.26 P2.28 P2.30 P2.32 P2.34 P2.36 P2.38 P3.0 P3.25 P3.26 P5.0 P6.0 R82.2 SW0.0 SW1.0 SW2.0 SW3.0 SW4.0 SW5.0 SW6.0 SW7.0 U2.7 U2.8 U2.9 U2.10 U2.11 U2.12 U2.13 U2.14 U2.15 U4.6 U4.7 U4.14 U4.15 U4.23 U5.1 U7.D8 U30.3 U30.4 U30.6 UART2USB?.0 UART2USB?.4 UART2USB?.12

## Keep-outs
Keep-Out Layer:
  the board outline again, w0.254

## Text inside footprints (layer, text, board x,y; h text height)
P1: Top Overlay "60" at 11.811,63.881 h0.76 r180; Top Overlay "59" at 11.811,66.421 h0.76 r180; Top Overlay "1" at 89.83,66.662 h0.76 r180; Top Overlay "2" at 90.168,63.883 h0.76 r180
P2: Top Overlay "1" at 13.005,2.219 h0.76; Top Overlay "2" at 12.935,7.999 h0.76
P3: Bottom Overlay "1" at 13.005,9.973 h0.76 r180; Bottom Overlay "2" at 12.935,4.193 h0.76 r180
P4: Top Overlay "60" at 89.408,15.875 h0.76; Top Overlay "59" at 89.408,13.335 h0.76; Top Overlay "1" at 11.389,13.094 h0.76; Top Overlay "2" at 11.051,15.873 h0.76
P5: Mechanical 5 "1" at 76.505,18.847 h1.02; Mechanical 5 "2" at 76.2,25.832 h1.02; Top Overlay "1" at 76.835,26.035 h0.76 r180; Top Overlay "2" at 76.962,20.955 h0.76 r180
P6: Mechanical 5 "1" at 76.632,24.714 h1.02 r180; Mechanical 5 "2" at 76.327,17.729 h1.02 r180; Bottom Overlay "1" at 76.962,17.526 h0.76; Bottom Overlay "2" at 77.089,22.606 h0.76